# KiCad board CEM.kicad_pcb (continued)
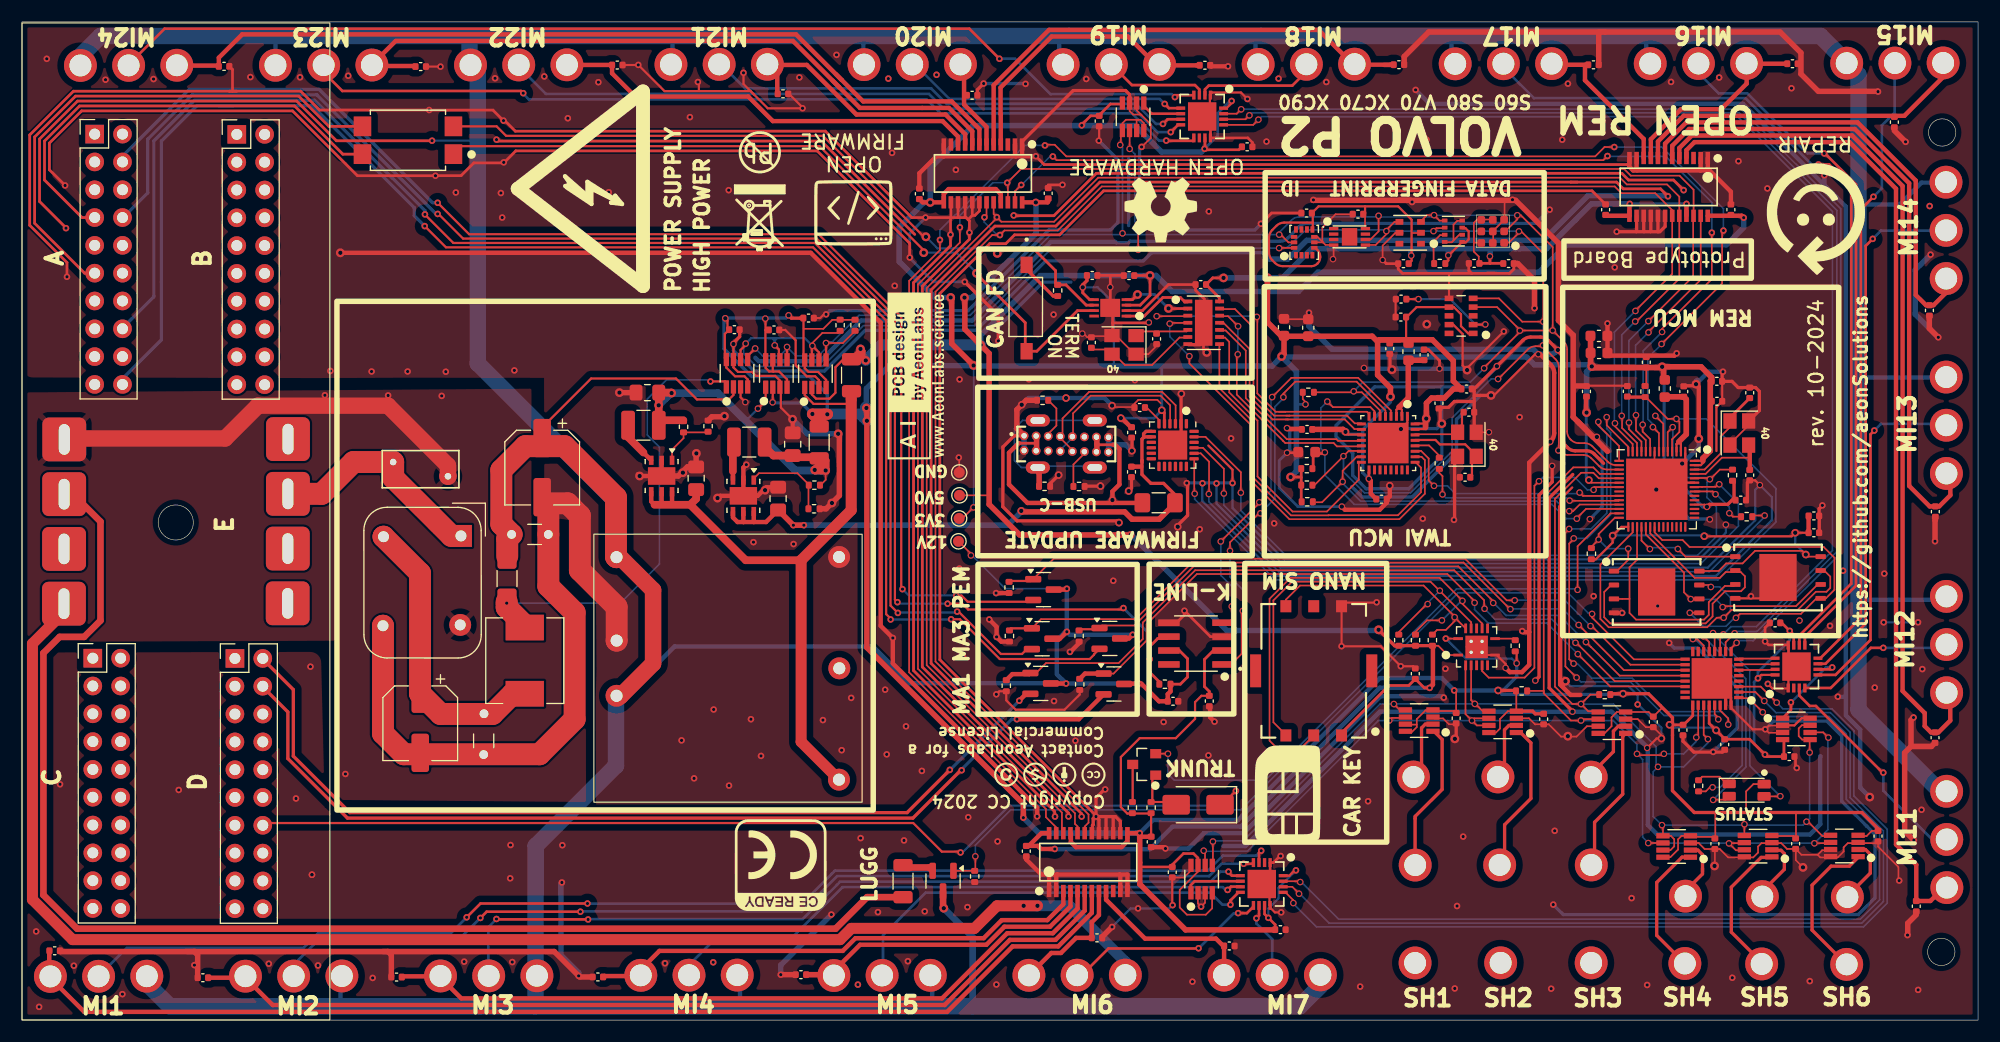
[diagram p0: board, top side]
## Footprints (pads in the part's own frame, mm; a bottom-side part is the same pattern mirrored in y, then rotated)
AHT20 PSON100P300X300X110-6N
  rrect 0.71x0.53 smd: 1(-0.985,1) 2(-0.985,0) 3(-0.985,-1) 4(0.985,-1) 5(0.985,0) 6(0.985,1)
ATSHA204A-MAHDA-T UDFN-8
  rect 0.85x0.3 smd: 1(-1.45,0.75) 2(-1.45,0.25) 3(-1.45,-0.25) 4(-1.45,-0.75) 5(1.45,-0.75) 6(1.45,-0.25) 7(1.45,0.25) 8(1.45,0.75)
  rect 1.4x1.6 smd: 9(0,0)
AUR9718 ST1S09 SON95P300X300X100-7N
  rect 0.84x0.42 smd: 1(-1.435,0.95) 2(-1.435,0) 3(-1.435,-0.95) 4(1.435,-0.95) 5(1.435,0) 6(1.435,0.95)
  rect 1.6x2.5 smd: 7(0,0)
C_0402_1005Metric
  rrect 0.56x0.62 smd: 1(-0.48,0) 2(0.48,0)
C_0603_1608Metric
  rrect 0.9x0.95 smd: 1(-0.775,0) 2(0.775,0)
C_0805_2012Metric_Pad1.18x1.45mm_HandSolder
  rrect 1.175x1.45 smd: 1(-1.038,0) 2(1.038,0)
C_Disc_D3.0mm_W1.6mm_P2.50mm
  round 1.6 hole 0.8: 1(-0.85,0) 2(2.5,0)
C_Disc_D3.0mm_W1.6mm_P2.50mm#2
  round 1.6 hole 0.8: 1(-1.23,0.03) 2(2.5,0)
CH9102F
  rrect 1.07x1.07 smd: (-0.66,0.66) (-0.66,-0.66) (0.66,0.66) (0.66,-0.66)
  rect 2.65x2.65 smd: 0(0,0)
  rrect 0.85x0.3 smd: 1(-1.95,1.25) 2(-1.95,0.75) 3(-1.95,0.25) 4(-1.95,-0.25) 5(-1.95,-0.75) 6(-1.95,-1.25) 13(1.95,-1.25) 14(1.95,-0.75) 15(1.95,-0.25) 16(1.95,0.25) 17(1.95,0.75) 18(1.95,1.25)
  rrect 0.3x0.85 smd: 7(-1.25,-1.95) 8(-0.75,-1.95) 9(-0.25,-1.95) 10(0.25,-1.95) 11(0.75,-1.95) 12(1.25,-1.95) 19(1.25,1.95) 20(0.75,1.95) 21(0.25,1.95) 22(-0.25,1.95) 23(-0.75,1.95) 24(-1.25,1.95)
Common Mode Inductor SQ1010 8x5mm
  rect 2x2 hole 1: 1(-3.81,2.678)
  round 2 hole 1: 2(-3.737,-4.39) 3(4.318,2.607) 4(4.396,-4.44)
CP_Elec_6.3x7.7
  rrect 3.5x1.6 smd: 1(-2.7,0) 2(2.7,0)
Crystal_SMD_3225-4Pin_3.2x2.5mm
  rect 1.4x1.2 smd: 1(-1.1,-0.85) 2(1.1,-0.85) 3(1.1,0.85) 4(-1.1,0.85)
D_SMA
  rrect 2.5x1.8 smd: 1(-2,0) 2(2,0)
Dip Switch 1_toggle
  rect 1.5x1.1 smd: 1A(-3.44,0) 1B(4.45,0)
ENS160 Gas Semsor
  rrect 0.7x0.7 smd: 1(-1.01,1.06) 2(-1.01,0.01) 3(-1.01,-1.05) 4(0.03,-1.04) 5(1.08,-1.04) 6(1.08,0.02) 7(1.08,1.07) 8(0.03,1.07) 9(0.03,0.02)
ESP32 C3
  rrect 0.81x0.27 smd: 1(-2.45,1.75) 2(-2.45,1.25) 3(-2.45,0.75) 4(-2.45,0.25) 5(-2.45,-0.25) 6(-2.45,-0.75) 7(-2.45,-1.25) 8(-2.45,-1.75) 17(2.45,-1.75) 18(2.45,-1.25) 19(2.45,-0.75) 20(2.45,-0.25) 21(2.45,0.25) 22(2.45,0.75) 23(2.45,1.25) 24(2.45,1.75)
  rrect 0.27x0.81 smd: 9(-1.75,-2.45) 10(-1.25,-2.45) 11(-0.75,-2.45) 12(-0.25,-2.45) 13(0.25,-2.45) 14(0.75,-2.45) 15(1.25,-2.45) 16(1.75,-2.45) 25(1.75,2.45) 26(1.25,2.45) 27(0.75,2.45) 28(0.25,2.45) 29(-0.25,2.45) 30(-0.75,2.45) 31(-1.25,2.45) 32(-1.75,2.45)
  rect 3.7x3.7 smd: 33(0,0)
Fuse_1206_3216Metric_Pad1.42x1.75mm_HandSolder
  rrect 1.425x1.75 smd: 1(-1.488,0) 2(1.488,0)
Hi Link DCDC
  round 2 hole 1.1: 1(-9.37,2.91) 2(-9.38,-2.13) 3(10.92,-9.79) 4(10.95,0.38) 5(10.93,10.55) 6(-9.38,10.53)
IC_RV-1805-C3 Power Gating
  rect 0.8x0.5 smd: 1(-1.1,1.6) 2(-1.1,0.8) 3(-1.1,0) 4(-1.1,-0.8) 5(-1.1,-1.6) 6(1.1,-1.6) 7(1.1,-0.8) 8(1.1,0) 9(1.1,0.8) 10(1.1,1.6)
INA219AIDCNR SOT65P280X145-8N
  rrect 1.21x0.48 smd: 1(-1.255,0.975) 2(-1.255,0.325) 3(-1.255,-0.325) 4(-1.255,-0.975) 5(1.255,-0.975) 6(1.255,-0.325) 7(1.255,0.325) 8(1.255,0.975)
KTS1620 24bit IO Expander QFN32 5x5mm.lib
  rect 0.85x0.3 smd: 1(-2.45,1.75) 2(-2.45,1.25) 3(-2.45,0.75) 4(-2.45,0.25) 5(-2.45,-0.25) 6(-2.45,-0.75) 7(-2.45,-1.25) 8(-2.45,-1.75) 17(2.45,-1.75) 18(2.45,-1.25) 19(2.45,-0.75) 20(2.45,-0.25) 21(2.45,0.25) 22(2.45,0.75) 23(2.45,1.25) 24(2.45,1.75)
  rect 0.3x0.85 smd: 9(-1.75,-2.45) 10(-1.25,-2.45) 11(-0.75,-2.45) 12(-0.25,-2.45) 13(0.25,-2.45) 14(0.75,-2.45) 15(1.25,-2.45) 16(1.75,-2.45) 25(1.75,2.45) 26(1.25,2.45) 27(0.75,2.45) 28(0.25,2.45) 29(-0.25,2.45) 30(-0.75,2.45) 31(-1.25,2.45) 32(-1.75,2.45)
  rect 3.7x3.7 smd: 33(0,0)
L_0603_1608Metric
  rrect 0.875x0.95 smd: 1(-0.787,0) 2(0.787,0)
L_1210_3225Metric
  rrect 1.25x2.65 smd: 1(-1.4,0) 2(1.4,0)
L_Chilisin_BMRB00060650
  rect 2.35x3.5 smd: 1(-3.025,0) 2(3.025,0)
LED_1206_3210_RGB_Metric
  rrect 1.2x0.8 smd: 1(-1.36,-0.51) 2(1.82,-0.52) 3(-1.36,0.63) 4(1.83,0.6)
LSM6DS3 Motion Sensor PQFN50P300X250X86-14N
  rect 0.58x0.35 smd: 1(-1.175,0.75) 2(-1.175,0.25) 3(-1.175,-0.25) 4(-1.175,-0.75) 8(1.175,-0.75) 9(1.175,-0.25) 10(1.175,0.25) 11(1.175,0.75)
  rect 0.35x0.58 smd: 5(-0.5,-0.925) 6(0,-0.925) 7(0.5,-0.925) 12(0.5,0.925) 13(0,0.925) 14(-0.5,0.925)
MCP2517FD CAN Controller
  rrect 0.81x0.34 smd: 1(-1.45,1.95) 2(-1.45,1.3) 3(-1.45,0.65) 4(-1.45,0) 5(-1.45,-0.65) 6(-1.45,-1.3) 7(-1.45,-1.95) 8(1.45,-1.95) 9(1.45,-1.3) 10(1.45,-0.65) 11(1.45,0) 12(1.45,0.65) 13(1.45,1.3) 14(1.45,1.95)
  rect 1.6x4.2 smd: 15(0,0)
MCP2558FD CAN Transceiver
  rect 0.864x0.254 smd: 1(-1.473,0.75) 2(-1.473,0.25) 3(-1.473,-0.25) 4(-1.473,-0.75) 5(1.473,-0.75) 6(1.473,-0.25) 7(1.473,0.25) 8(1.473,0.75)
  rect 1.803x1.651 smd: 9(0,0)
Nano Sim GCT_SIM8051-6-0-14-00-X-REVD
  rect 1x1.1 smd: C1(2.54,-5.9) C2(0,-5.9) C3(-2.54,-5.9) C5(2.54,5.9) C6(0,5.9) C7(-2.54,5.9)
  rect 1x3 smd: C4(5.3,0) C8(-5.3,0)
NCV7240 Relay Driver
  rect 1.12x0.42 smd: 1(-2.64,3.575) 2(-2.64,2.925) 3(-2.64,2.275) 4(-2.64,1.625) 5(-2.64,0.975) 6(-2.64,0.325) 7(-2.64,-0.325) 8(-2.64,-0.975) 9(-2.64,-1.625) 10(-2.64,-2.275) 11(-2.64,-2.925) 12(-2.64,-3.575) 13(2.64,-3.575) 14(2.64,-2.925) 15(2.64,-2.275) 16(2.64,-1.625) 17(2.64,-0.975) 18(2.64,-0.325) 19(2.64,0.325) 20(2.64,0.975) 21(2.64,1.625) 22(2.64,2.275) 23(2.64,2.925) 24(2.64,3.575)
NPN & PNP SOT-23
  rect 1x0.85 smd: 1(-1.05,0.98) 2(-1.05,-0.98) 3(1.05,0)
QFN-56-1EP_7x7mm_P0.4mm_EP5.6x5.6mm
  rrect 1.13x1.13 smd: (-2.1,2.1) (-2.1,0.7) (-2.1,-0.7) (-2.1,-2.1) (-0.7,2.1) (-0.7,0.7) (-0.7,-0.7) (-0.7,-2.1) (0.7,2.1) (0.7,0.7) (0.7,-0.7) (0.7,-2.1) (2.1,2.1) (2.1,0.7) (2.1,-0.7) (2.1,-2.1)
  rrect 0.875x0.2 smd: 1(-3.438,2.6) 2(-3.438,2.2) 3(-3.438,1.8) 4(-3.438,1.4) 5(-3.438,1) 6(-3.438,0.6) 7(-3.438,0.2) 8(-3.438,-0.2) 9(-3.438,-0.6) 10(-3.438,-1) 11(-3.438,-1.4) 12(-3.438,-1.8) 13(-3.438,-2.2) 14(-3.438,-2.6) 29(3.438,-2.6) 30(3.438,-2.2) 31(3.438,-1.8) 32(3.438,-1.4) 33(3.438,-1) 34(3.438,-0.6) 35(3.438,-0.2) 36(3.438,0.2) 37(3.438,0.6) 38(3.438,1) 39(3.438,1.4) 40(3.438,1.8) 41(3.438,2.2) 42(3.438,2.6)
  rrect 0.2x0.875 smd: 15(-2.6,-3.438) 16(-2.2,-3.438) 17(-1.8,-3.438) 18(-1.4,-3.438) 19(-1,-3.438) 20(-0.6,-3.438) 21(-0.2,-3.438) 22(0.2,-3.438) 23(0.6,-3.438) 24(1,-3.438) 25(1.4,-3.438) 26(1.8,-3.438) 27(2.2,-3.438) 28(2.6,-3.438) 43(2.6,3.438) 44(2.2,3.438) 45(1.8,3.438) 46(1.4,3.438) 47(1,3.438) 48(0.6,3.438) 49(0.2,3.438) 50(-0.2,3.438) 51(-0.6,3.438) 52(-1,3.438) 53(-1.4,3.438) 54(-1.8,3.438) 55(-2.2,3.438) 56(-2.6,3.438)
  rect 5.6x5.6 smd: 57(0,0)
R_0402_1005Metric
  rrect 0.54x0.64 smd: 1(-0.51,0) 2(0.51,0)
R_1206_3216Metric
  rrect 1.125x1.75 smd: 1(-1.462,0) 2(1.462,0)
RV_Disc_D7mm_W3.4mm_P5mm
  round 1.6 hole 0.6: 1(0,0) 2(5,-1.3)
SN65HVDA195 K-Line
  rrect 1.97x0.6 smd: 1(-2.47,1.905) 2(-2.47,0.635) 3(-2.47,-0.635) 4(-2.47,-1.905) 5(2.47,-1.905) 6(2.47,-0.635) 7(2.47,0.635) 8(2.47,1.905)
SOT-23
  rrect 1.475x0.6 smd: 1(-0.938,0.95) 2(-0.938,-0.95) 3(0.938,0)
TDK ZJYS  CANBUS
  rect 1.6x1.8 smd: 1(-4.15,1.27) 2(-4.15,-1.27) 3(4.15,-1.27) 4(4.15,1.27)
TestPoint_Pad_D1.0mm
  round 1 smd: 1(0,0)
TMUX8108 WQFN 16
  rect 0.813x0.305 smd: 1(-1.886,0.692) 2(-1.886,0.184) 3(-1.886,-0.324) 4(-1.886,-0.832) 9(2.026,-0.832) 10(2.026,-0.324) 11(2.026,0.184) 12(2.026,0.692)
  rect 0.305x0.813 smd: 5(-0.692,-2.026) 6(-0.184,-2.026) 7(0.324,-2.026) 8(0.832,-2.026) 13(0.832,1.886) 14(0.324,1.886) 15(-0.184,1.886) 16(-0.692,1.886)
  rect 2.591x2.591 smd: 17(0.07,-0.07)
TXS104 Bidirectional Logic Shifter
  rrect 0.26x0.88 smd: 1(-0.75,1.685) 7(-0.75,-1.685) 8(0.75,-1.685) 14(0.75,1.685)
  rrect 0.88x0.26 smd: 2(-1.685,1) 3(-1.685,0.5) 4(-1.685,0) 5(-1.685,-0.5) 6(-1.685,-1) 9(1.685,-1) 10(1.685,-0.5) 11(1.685,0) 12(1.685,0.5) 13(1.685,1)
  rect 2.05x2.05 smd: 15(0,0)
  round 0.4 hole 0.3: 15_1(0.5,0.5) 15_2(-0.5,0.5) 15_3(-0.5,-0.5) 15_4(0.5,-0.5)
USB-C Vertical GCT_USB4120-03-C_REVA
  round 0.8 hole 0.5: A1(-3.85,0.75) A4(-2.75,0.73) A5(-1.65,0.71) A6(-0.55,0.69) A7(0.55,0.67) A8(1.65,0.65) A9(2.75,0.63) A12(3.85,0.61) B1(3.85,-0.74) B4(2.75,-0.72) B5(1.65,-0.7) B6(0.55,-0.68) B7(-0.55,-0.66) B8(-1.65,-0.64) B9(-2.75,-0.62) B12(-3.85,-0.6)
  oval 2.2x1.1 hole 1.35x0.6: S1(-2.6,2.15) S1(-2.6,-2.15) S1(2.6,2.15) S1(2.6,-2.15)
Volvo P2 -04 CEM & REM PCB layout
  oval 1.7x1.7 hole 1: A1(35.53,96.29) A2(32.99,96.29) A3(30.45,96.29) A4(27.91,96.29) A5(25.37,96.29) A6(22.83,96.29) A7(20.29,96.29) A8(17.75,96.29) A9(15.21,96.29) A10(12.67,96.29) A12(32.99,98.83) A13(30.45,98.83) A14(27.91,98.83) A15(25.37,98.83) A16(22.83,98.83) A17(20.29,98.83) A18(17.75,98.83) A19(15.21,98.83) A20(12.67,98.83) B1(35.508,83.32) B2(32.968,83.32) B3(30.427,83.32) B4(27.887,83.32) B5(25.348,83.32) B6(22.808,83.32) B7(20.267,83.32) B8(17.727,83.32) B9(15.188,83.32) B10(12.648,83.32) B12(32.968,85.86) B13(30.427,85.86) B14(27.887,85.86) B15(25.348,85.86) B16(22.808,85.86) B17(20.267,85.86) B18(17.727,85.86) B19(15.188,85.86) B20(12.648,85.86) C1(-12.335,96.46) C2(-14.875,96.46) C3(-17.415,96.46) C4(-19.955,96.46) C5(-22.495,96.46) C6(-25.035,96.46) C7(-27.575,96.46) C8(-30.115,96.46) C9(-32.655,96.46) C10(-35.195,96.46) C12(-14.875,99) C13(-17.415,99) C14(-19.955,99) C15(-22.495,99) C16(-25.035,99) C17(-27.575,99) C18(-30.115,99) C19(-32.655,99) C20(-35.195,99) D1(-12.357,83.49) D2(-14.898,83.49) D3(-17.438,83.49) D4(-19.977,83.49) D5(-22.517,83.49) D6(-25.058,83.49) D7(-27.598,83.49) D8(-30.137,83.49) D9(-32.678,83.49) D10(-35.218,83.49) D12(-14.898,86.03) D13(-17.438,86.03) D14(-19.977,86.03) D15(-22.517,86.03) D16(-25.058,86.03) D17(-27.598,86.03) D18(-30.137,86.03) D19(-32.678,86.03) D20(-35.218,86.03)
  rect 1.7x1.7 hole 1: A11(35.53,98.83) B11(35.508,85.86) C11(-12.335,99) D11(-12.357,86.03)
  rrect 4x4 hole 2.8x1: E1(7.645,101.605) E2(2.645,101.615) E3(-2.355,101.625) E4(-7.355,101.635) E5(7.675,81.185) E6(2.675,81.195) E7(-2.325,81.205) E8(-7.325,81.215)
  round 3 hole 2: MI1-1(-41.38,94.07) MI1-2(-41.4,102.87) MI1-4(-41.39,98.47) MI2-1(-41.36,76.27) MI2-2(-41.38,85.07) MI2-4(-41.37,80.67) MI3-1(-41.34,58.47) MI3-2(-41.36,67.27) MI3-4(-41.35,62.87) MI4-1(-41.28,40.19) MI4-2(-41.3,48.99) MI4-4(-41.29,44.59) MI5-1(-41.3,22.57) MI5-2(-41.32,31.37) MI5-4(-41.31,26.97) MI6-1(-41.28,4.77) MI6-2(-41.3,13.57) MI6-4(-41.29,9.17) MI7-1(-41.26,-13.03) MI7-2(-41.28,-4.23) MI7-4(-41.27,-8.63) MI11-1(-24.49,-70.18) MI11-2(-33.29,-70.2) MI11-4(-28.89,-70.19) MI12-1(-6.69,-70.16) MI12-2(-15.49,-70.18) MI12-4(-11.09,-70.17) MI13-1(13.34,-70.14) MI13-2(4.54,-70.16) MI13-4(8.94,-70.15) MI14-1(31.14,-70.12) MI14-2(22.34,-70.14) MI14-4(26.74,-70.13) MI15-1(42.01,-61.06) MI15-2(42.03,-69.86) MI15-4(42.02,-65.46) MI16-1(41.97,-43.13) MI16-2(41.99,-51.93) MI16-4(41.98,-47.53) MI17-1(41.95,-25.33) MI17-2(41.97,-34.13) MI17-4(41.96,-29.73) MI18-1(41.9,-7.35) MI18-2(41.92,-16.15) MI18-4(41.91,-11.75) MI19-1(41.88,10.45) MI19-2(41.9,1.65) MI19-4(41.89,6.05) MI20-1(41.88,28.62) MI20-2(41.9,19.82) MI20-4(41.89,24.22) MI21-1(41.89,46.24) MI21-2(41.91,37.44) MI21-4(41.9,41.84) MI22-1(41.84,64.53) MI22-2(41.86,55.73) MI22-4(41.85,60.13) MI23-1(41.82,82.33) MI23-2(41.84,73.53) MI23-4(41.83,77.93) MI24-1(41.8,100.13) MI24-2(41.82,91.33) MI24-4(41.81,95.73) SH1-3(-40.17,-21.67) SH1-4(-31.23,-21.68) SH1-5(-23.19,-21.52) SH2-3(-40.16,-29.48) SH2-4(-31.22,-29.39) SH2-5(-23.18,-29.23) SH3-3(-40.16,-37.74) SH3-4(-31.22,-37.75) SH3-5(-23.2,-37.74) SH4-4(-40.22,-46.29) SH4-5(-34.07,-46.35) SH5-4(-40.26,-53.3) SH5-5(-34.11,-53.36) SH6-4(-40.3,-61.06) SH6-5(-34.15,-61.12)
WSON8 FLASH SPI SON127P800X600X80-9N
  rrect 0.94x0.44 smd: 1(-3.895,1.905) 2(-3.895,0.635) 3(-3.895,-0.635) 4(-3.895,-1.905) 5(3.895,-1.905) 6(3.895,-0.635) 7(3.895,0.635) 8(3.895,1.905)
  rect 3.4x4.3 smd: 9(0,0)
XDCR_BMP280
  rect 0.5x0.35 smd: 1(0.8,0.975) 2(0.8,0.325) 3(0.8,-0.325) 4(0.8,-0.975) 5(-0.8,-0.975) 6(-0.8,-0.325) 7(-0.8,0.325) 8(-0.8,0.975)

## Nets
3V3_PROBE_IN: AUR_C1.1 AUR_C3.1 AUR_l1.1 AUR_l2.1 AUR_R2.1 AUR_R4.1 ER3.2 INA1.1
5V_PROBE_IN: AUR2.4 AUR2.5 AUR2.6 AUR_C4.1 ER2.1 INA2.1 U2.3
12V-BAT: HLL1.1 HLV1.1 U1.E6
12V_PROBE_IN: ER1.1 INA3.1 L1.2
+3V3: 3V3.1 ACPM_C1.2 ACPM_C2.2 AH_C1.2 ATC1.2 BMPR1.2 C3_C1.1 C3_C2.1 C3_P2_L1.1 C3_P32_C1.2 C3P2_C2.1 C3P6_R1.1 C3P7_R1.1 C3P11_C1.1 C3P14_R1.1 C3P15_R1.1 C3P17_C1.1 C3P32_C1.2 CHC3.1 ENS_C1.2 ENS_C2.2 ER3.1 ESP32S1.20 ESP32S1.46 ESP32S1.55 ESP32S1.56 IC_ENS1.4 IC_ENS1.5 IC_ENS1.7 IMU1.5 INA1.2 INA1.4 INA1.7 INA1.8 INA1_C1.2 INA1_C2.2 INA1_C3.2 INA1_C4.2 INA1_C5.2 INA1_C6.2 INA1_C7.2 INA1_C8.2 INA1_C9.2 INA1_C10.2 INA1_C11.2 INA1_C12.2 INA2.4 INA2.8 INA3.4 INA3.8 INA4.4 INA4.7 INA4.8 INA5.4 INA5.8 INA6.4 INA6.8 INA7.4 INA7.8 INA8.4 INA9.4 INA10.4 INA10.7 INA11.4 INA12.4 KTS1.25 KTS1.28 LED1.4 LIN_C2.1 LSM_C4.2 MCP_P5_C2.1 MCP_P14_C1.1 MPR3.2 MPR4.2 MPR5.2 MPR6.2 NCV1_C10.1 NCV2_C7.1 NCV3_C13.1 RV_C1.2 S3_VDD3_C1.1 S3_VDD3_C2.1 S3P2_C1.1 S3P2_L1.1 S3P4_R1.1 S3P20_C1.1 S3P46_C1.1 S3P52_R1.1 S3P55_C1.2 S3P55_C2.2 TRUNK_R1.2 TRUNK_R2.2 TX1_C1.2 TX1_C2.2 TX1_C13.2 TXMUX1.11 TXMUX1.16 TXR1.1 TXS1.14 U3.5 U4.11 U4.17 U4.31 U4.32 U5.8 U6.5 U7.6 U7.8 U8.2 U9.14 U10.13 U10.21 U11.13 U11.21 U12.13 U12.21 U13.11 U13.16 U14.11 U14.16 U15.2 U16.1 U16.7
+5V: 5V0.1 ENS_C3.2 ER2.2 INA2.2 J2.C1 MCP_P3_C1.1 NCV1_C9.1 NCV2_C8.1 NCV3_C14.1 S3P52_R2.1 S3P52_R3.1 S3P52_R4.1 TXS1.1 U6.3 U10.24 U11.24 U12.24
+12V: C5.1 C6.1 DMP1045U_1.3 DMP1045U_2.3 DMP1045U_3.3 DMP1045U_4.3 DMP1045U_5.3 DMP1045U_7.3 ER1.2 INA3.2 LIN_C1.1 TP1.1 TXR2.1 U1.MI1-1 U1.MI2-1 U1.MI3-1 U1.MI4-1 U1.MI5-1 U1.MI7-1 U1.MI11-1 U1.MI12-1 U1.MI13-1 U1.MI14-1 U1.MI15-1 U1.MI16-1 U1.MI17-1 U1.MI18-1 U1.MI19-1 U1.MI20-1 U1.MI21-1 U1.MI22-1 U1.MI23-1 U1.MI24-1 U2.2 U2.6 U15.7
GND: ACPM_C1.1 ACPM_C2.1 AH_C1.1 ATC1.1 AUR1.2 AUR1.7 AUR2.2 AUR2.7 AUR_C1.2 AUR_C2.2 AUR_C3.2 AUR_C4.2 AUR_R1.2 AUR_R3.2 C1.2 C3_C1.2 C3_C2.2 C3_P32_C1.1 C3P2_C1.2 C3P2_C2.2 C3P7_C1.1 C3P11_C1.2 C3P17_C1.2 C3P32_C1.1 C3XTAL32_2.2 C3XTAL32_2.4 C3XTAL40_1.2 C3XTAL40_1.4 C3XTAL40_C1.2 C3XTAL40_C2.2 C4.2 C5.2 C6.2 CHC1.2 CHC2.1 CHC3.2 DMP1045_R1.2 DMP1045_R2.2 DMP1045_R3.2 DMP1045_R4.2 DMP1045_R5.2 DMP1045_R7.2 E_SPI_C1.2 E_SPI_C2.2 ENS_C1.1 ENS_C2.1 ENS_C3.1 EPS1.4 ESP32S1.1 ESP32S1.8 ESP32S1.51 ESP32S1.57 ESP_FLASH1.4 ESP_FLASH1.9 GND1.1 HLL1.4 IC_ENS1.3 IC_ENS1.8 IC_ENS1.9 IMU1.6 IMU1.7 INA1.3 INA1_C1.1 INA1_C2.1 INA1_C3.1 INA1_C4.1 INA1_C5.1 INA1_C6.1 INA1_C7.1 INA1_C8.1 INA1_C9.1 INA1_C10.1 INA1_C11.1 INA1_C12.1 INA2.3 INA3.3 INA3.7 INA4.3 INA5.3 INA6.3 INA6.7 INA7.3 INA8.3 INA8.8 INA9.3 INA9.7 INA9.8 INA10.2 INA10.3 INA10.8 INA11.2 INA11.3 INA11.8 INA12.2 INA12.3 J1.A1 J1.A12 J1.B1 J1.B12 J2.C5 KTS1.31 KTS1.32 KTS1.33 LIN_C1.2 LIN_C2.2 LSM_C4.1 MCP_P3_C1.2 MCP_P5_C2.2 MCP_P14_C1.2 MCPXTAL32_C1.2 MCPXTAL32_C2.2 NCV1_C2.2 NCV1_C3.2 NCV1_C4.2 NCV1_C5.2 NCV1_C6.2 NCV1_C7.2 NCV1_C8.2 NCV1_C9.2 NCV1_C10.2 NCV2_C7.2 NCV2_C8.2 NCV2_C10.2 NCV2_C11.2 NCV2_C12.2 NCV2_C13.2 NCV2_C14.2 NCV2_C15.2 NCV2_C16.2 NCV3_C13.2 NCV3_C14.2 NCV3_C18.2 NCV3_C19.2 NCV3_C20.2 NCV3_C21.2 NCV3_C22.2 NCV3_C23.2 NCV3_C24.2 RV_C1.1 RV_C2.1 S3_VDD3_C1.2 S3_VDD3_C2.2 S3_XTAL40_1.2 S3_XTAL40_1.4 S3_XTAL40_C1.2 S3_XTAL40_C2.2 S3P2_C1.2 S3P2_C2.2 S3P4_C1.1 S3P20_C1.2 S3P46_C1.2 S3P55_C1.1 S3P55_C2.1 TX1_C1.1 TX1_C2.1 TX1_C13.1 TXMUX1.1 TXMUX1.12 TXMUX1.17 TXS1.7 TXS1.15 TXS1.15_1 TXS1.15_2 TXS1.15_3 TXS1.15_4 U2.1 U2.5 U3.0 U3.2 U4.1 U4.33 U5.4 U6.2 U6.9 U7.1 U7.5 U7.7 U8.5 U9.7 U9.15 U10.1 U10.2 U10.11 U10.12 U10.14 U10.15 U10.16 U10.17 U10.18 U11.1 U11.2 U11.11 U11.12 U11.14 U11.15 U11.16 U11.17 U11.18 U12.1 U12.2 U12.11 U12.12 U12.14 U12.15 U12.16 U12.17 U12.18 U13.1 U13.12 U13.17 U14.1 U14.12 U14.17 U15.3 U15.5 U16.6 U16.9 USB_PLUG_R1.2 USB_PLUG_R2.2 USB_PLYG_R1.2
GND-BAT: HLL1.3 HLV1.2 U1.E1
VDD_SPI: E_SPI_C1.1 E_SPI_C2.1 EPS1.8 ESP32S1.29 ESP_FLASH1.8 PSRAM_R1.2
A0_TXMUX1: KTS1.1 TXMUX1.15
A0_TXMUX2: KTS1.6 U14.15
A0_TXMUX3: KTS1.9 U13.15
A1_TXMUX1: KTS1.2 TXMUX1.14
A1_TXMUX2: KTS1.7 U14.14
A1_TXMUX3: KTS1.10 U13.14
A2_TXMUX1: KTS1.3 TXMUX1.13
A2_TXMUX2: KTS1.8 U14.13
A2_TXMUX3: KTS1.11 U13.13
CAN_H: FL1.4 U1.A14
CAN_L: FL1.3 U1.A16
CAN_RXD: U6.4 U9.2
CAN_TXD: U6.1 U9.1
CARGO_GREEN_CONN_5PIN_BLUE_WIRE: U1.D6
CARGO_GREEN_CONN_5PIN_YELLOW_WIRE: U1.D20
CARGO_ILLUMINATION_12V: ER4.2 U1.E2
CHIP_EN: ESP32S1.4 S3P4_C1.2 S3P4_R1.2 U3.19
DARK_BLUE_WHITE_WIRE_RELAY_MA1_PIN85: DMP1045U_3.2 U1.D2
DARK_BLUE_WIRE_RELAY_MA3_PIN85: DMP1045U_2.2 U1.D1
ESP_GPIO0_BOOT-DTR: ESP32S1.5 ESP32S1.52 S3P52_R1.2 U3.23
K-LINE-LIN: TXR2.2 U1.A4 U15.6
K-LINE-RX: U4.5 U15.1
K-LINE-TX: U4.4 U15.4
KTS_INT: ESP32S1.14 KTS1.30
KTS_RST: ESP32S1.15 KTS1.29
LED_B_S3: KTS1.12 LED1.2
LED_G_S3: KTS1.13 LED1.1
LED_R_S3: KTS1.14 RGB_R1.1
Luggage_lights: DMP1045_R1.1 DMP1045U_1.1 KTS1.17
MA1_RELAY_EN: DMP1045_R3.1 DMP1045U_3.1 KTS1.22
MA3_RELAY_EN: DMP1045_R2.1 DMP1045U_2.1 KTS1.21
MCP_CLKO_C3: U4.8 U9.3
MCP_INT0_C3: U4.16 U9.9
MCP_INT1_C3: U4.25 U9.8
MCP_INT_C3: U4.26 U9.4
MCP_OSC1: C3XTAL32_2.3 MCPXTAL32_C1.1 U9.6
MCP_OSC2: C3XTAL32_2.1 MCPXTAL32_C2.1 U9.5
MCP_SPI_CS_C3: U4.9 U9.13
MCP_SPI_SCK_C3: U4.12 U9.10
MCP_SPI_SDI_C3: U4.10 U9.11
MCP_SPI_SDO_C3: U4.13 U9.12
NCV1_CS: ESP32S1.7 U12.23
NCV1_OUT1: NCV1_C8.1 U1.MI4-2 U12.3
NCV1_OUT2: NCV1_C7.1 U1.MI5-2 U12.4
NCV1_OUT3: NCV1_C6.1 U1.MI3-2 U12.5
NCV1_OUT4: NCV1_C5.1 U1.MI2-2 U12.6
NCV1_OUT5: NCV1_C4.1 U1.MI1-2 U12.7
NCV1_OUT6: NCV1_C3.1 U1.MI6-2 U12.8
NCV1_OUT7: NCV1_C2.1 U1.MI7-2 U12.9
NCV1_OUT8: U12.10
NCV2_CS: ESP32S1.10 U11.23
NCV2_OUT1: U11.3
NCV2_OUT2: NCV2_C10.1 U1.MI11-2 U11.4
NCV2_OUT3: NCV2_C11.1 U1.MI12-2 U11.5
NCV2_OUT4: NCV2_C12.1 U1.MI13-2 U11.6
NCV2_OUT5: NCV2_C13.1 U1.MI14-2 U11.7
NCV2_OUT6: NCV2_C14.1 U1.MI15-2 U11.8
NCV2_OUT7: NCV2_C15.1 U1.MI16-2 U11.9
NCV2_OUT8: NCV2_C16.1 U1.MI17-2 U11.10
NCV3_CS: ESP32S1.9 U10.23
NCV3_OUT1: U10.3
NCV3_OUT2: NCV3_C18.1 U1.MI19-2 U10.4
NCV3_OUT3: NCV3_C19.1 U1.MI18-2 U10.5
NCV3_OUT4: NCV3_C20.1 U1.MI20-2 U10.6
NCV3_OUT5: NCV3_C21.1 U1.MI24-2 U10.7
NCV3_OUT6: NCV3_C22.1 U1.MI23-2 U10.8
NCV3_OUT7: NCV3_C23.1 U1.MI21-2 U10.9
NCV3_OUT8: NCV3_C24.1 U1.MI22-2 U10.10
PEM_MODULE_BLUE: DMP1045U_4.2 U1.A8
PEM_MODULE_BLUE_EN: DMP1045_R4.1 DMP1045U_4.1 KTS1.19
PEM_MODULE_BROWN: DMP1045U_5.2 U1.A10
PEM_MODULE_BROWN_EN: DMP1045_R5.1 DMP1045U_5.1 KTS1.20
PEM_MODULE_GREEN: DMP1045U_7.2 U1.A2
PEM_MODULE_GREEN_EN: DMP1045_R7.1 DMP1045U_7.1 KTS1.18
POWER_SENSE_TXMUX1: INA10.1 TXMUX1.6
POWER_SENSE_TXMUX2: INA11.1 U14.6
POWER_SENSE_TXMUX3: INA12.1 U13.6
PSW_EN: U16.8
RELAY_MI1_PIN4: TXMUX1.3 U1.MI1-4
RELAY_MI2_PIN4: TXMUX1.4 U1.MI2-4
RELAY_MI3_PIN4: TXMUX1.5 U1.MI3-4
RELAY_MI4_PIN4: TXMUX1.7 U1.MI4-4
RELAY_MI5_PIN4: TXMUX1.8 U1.MI5-4
RELAY_MI6_PIN1: U1.E4 U1.MI6-1
RELAY_MI6_PIN4: TXMUX1.9 U1.MI6-4
RELAY_MI7_PIN4: TXMUX1.10 U1.MI7-4
RELAY_MI11_PIN4: U1.MI11-4 U14.3
RELAY_MI12_PIN4: U1.MI12-4 U14.4
RELAY_MI13_PIN4: U1.MI13-4 U14.5
RELAY_MI14_PIN4: U1.MI14-4 U14.7
RELAY_MI15_PIN4: U1.MI15-4 U14.8
RELAY_MI16_PIN4: U1.MI16-4 U14.9
RELAY_MI17_PIN4: U1.MI17-4 U14.10
RELAY_MI18_PIN4: U1.MI18-4 U13.2
RELAY_MI19_PIN4: U1.MI19-4 U13.3
RELAY_MI20_PIN4: U1.MI20-4 U13.5
RELAY_MI21_PIN4: U1.MI21-4 U13.7
RELAY_MI22_PIN4: U1.MI22-4 U13.8
RELAY_MI23_PIN4: U1.MI23-4 U13.9
RELAY_MI24_PIN4: U1.MI24-4 U13.4
RESISTOR_SH1-PIN4: INA4.1 U1.SH1-4
RESISTOR_SH1-PIN5: INA4.2 U1.SH1-5
RESISTOR_SH2-PIN4: INA5.1 U1.SH2-4
RESISTOR_SH2-PIN5: INA5.2 U1.SH2-5
RESISTOR_SH3-PIN4: INA6.1 U1.SH3-4
RESISTOR_SH3-PIN5: INA6.2 U1.SH3-5
RESISTOR_SH4-PIN4: INA7.1 U1.SH4-4
RESISTOR_SH4-PIN5: INA7.2 U1.SH4-5
RESISTOR_SH5-PIN4: INA8.1 U1.SH5-4
RESISTOR_SH5-PIN5: INA8.2 U1.SH5-5
RESISTOR_SH6-PIN4: INA9.1 U1.SH6-4
RESISTOR_SH6-PIN5: INA9.2 U1.SH6-5
RV_INT: U16.3
RXD0: ESP32S1.50 U3.21
S3-U1CTS_C3-RST-EN: C3P7_C1.2 C3P7_R1.2 ESP32S1.26 U4.7
S3-U1RTS_C3-BOOT-DTR: C3P15_R1.2 ESP32S1.25 U4.15
S3-U1RXD_C3-U0TXD: C3P28_R1.1 ESP32S1.24
S3-U1TXD_C3-U0RXD: ESP32S1.23 U4.27
S3_I2C_SCL: ESP32S1.19 INA4.5 INA5.5 INA6.5 INA7.5 INA7.7 INA8.5 INA9.5 INA10.5 INA11.5 INA11.7 KTS1.27 MPR5.1 TXS1.3
S3_I2C_SCL_5V0: J2.C3 S3P52_R3.2 TXS1.12
S3_I2C_SCL_C3: C3P6_R1.2 ESP32S1.16 IC_ENS1.2 IMU1.13 INA1.5 INA2.5 INA3.5 INA12.5 INA12.7 INA12.8 MPR3.1 U4.6 U5.6 U7.4 U8.3 U16.4
S3_I2C_SDA: ESP32S1.18 INA4.6 INA5.6 INA5.7 INA6.6 INA7.6 INA8.6 INA8.7 INA9.6 INA10.6 INA11.6 KTS1.26 MPR6.1 TXS1.2
S3_I2C_SDA_5VO: J2.C7 S3P52_R4.2 TXS1.13
S3_I2C_SDA_C3: C3P14_R1.2 ESP32S1.17 IC_ENS1.1 IMU1.14 INA1.6 INA2.6 INA2.7 INA3.6 INA12.6 MPR4.1 U4.14 U5.5 U7.3 U8.4 U16.5
S3_SPI2-MISO: ESP32S1.13 U10.19 U11.19 U12.19
S3_SPI2-MOSI: ESP32S1.11 U10.22 U11.22 U12.22
S3_SPI2-SCK: ESP32S1.12 U10.20 U11.20 U12.20
SIMCARD_RST: ESP32S1.21 TXS1.5
SIMCARD_RST_5V0: J2.C2 S3P52_R2.2 TXS1.10
SPICLK: EPS1.6 ESP32S1.33 ESP_FLASH1.6
SPICS0: ESP32S1.32 ESP_FLASH1.1
SPICS1: EPS1.1 ESP32S1.28 PSRAM_R1.1
SPID: EPS1.5 ESP32S1.35 ESP_FLASH1.5
SPIHD: EPS1.7 ESP32S1.30 ESP_FLASH1.7
SPIQ: EPS1.2 ESP32S1.34 ESP_FLASH1.2
SPIWP: EPS1.3 ESP32S1.31 ESP_FLASH1.3
TRUNK_BUTTON: TRUNK_D1.1 U1.D7
TRUNK_BUTTON_S3: ESP32S1.27 NPN1.2
TXD0: S3P49_R1.1 U3.20
USB_5V0: AUR1.4 AUR1.5 AUR1.6 AUR_C2.1 CHC1.1 PWR_FUSE1.1 U3.7 U3.8
USB_5V0F: J1.A4 J1.A9 J1.B4 J1.B9 PWR_FUSE1.2
USB_D+: J1.A6 J1.B6 U3.3
USB_D-: J1.A7 J1.B7 U3.4
Net-(AUR1-FB): AUR1.1 AUR_R1.1 AUR_R2.2
Net-(AUR1-SW): AUR1.3 AUR_l1.2
Net-(AUR2-FB): AUR2.1 AUR_R3.1 AUR_R4.2
Net-(AUR2-SW): AUR2.3 AUR_l2.2
Net-(C1-Pad1): C1.1 C4.1 HLL1.2 L1.1
Net-(DMP1045U_1-Pad2): DMP1045U_1.2 ER4.1
Net-(ESP32S1-U0TXD/PROG/GPIO43): ESP32S1.49 S3P49_R1.2
Net-(ESP32S1-VDD3P3-Pad2): ESP32S1.2 ESP32S1.3 S3P2_C2.1 S3P2_L1.2
Net-(ESP32S1-XTAL_N): ESP32S1.53 S3_XTAL40_1.3 S3_XTAL40_C2.1
Net-(ESP32S1-XTAL_P): ESP32S1.54 S3_XTAL40_1.1 S3_XTAL40_C1.1
Net-(J1-CC1): J1.A5 USB_PLUG_R1.1
Net-(J1-CC2): J1.B5 USB_PLUG_R2.1
Net-(J1-SHIELD): J1.S1 USB_PLYG_R1.1
Net-(LED1-RA): LED1.3 RGB_R1.2
Net-(NPN1-Pad3): NPN1.3 TRUNK_R2.1
Net-(R1-Pad2): R1.2 S1.1A
Net-(TRUNK_D1-A): NPN1.1 TRUNK_D1.2 TRUNK_R1.1
Net-(TXS1-OE): TXR1.2 TXS1.8
Net-(U3-V3): CHC2.2 U3.6
Net-(U4-U0TXD): C3P28_R1.2 U4.28
Net-(U4-VDD3P3): C3_P2_L1.2 C3P2_C1.1 U4.2 U4.3
Net-(U4-XTAL_N): C3XTAL40_1.1 C3XTAL40_C2.1 U4.29
Net-(U4-XTAL_P): C3XTAL40_1.3 C3XTAL40_C1.1 U4.30
Net-(U6-CANH): FL1.1 S1.1B U6.7
Net-(U6-CANL): FL1.2 R1.1 U6.6
Net-(U7-CSB): BMPR1.1 U7.2
Net-(U16-CAP_RC): RV_C2.2 U16.2

Pads without a net: EPS1 9; ESP32S1 6 22 36 37 38 39 40 41 42 43 44 45 47 48; IC_ENS1 6; IMU1 1 2 3 4 8 9 10 11 12; J1 A8 B8; J2 C4 C6 C8; KTS1 4 5 15 16 23 24; TXMUX1 2; TXS1 4 6 9 11; U1 A1 A3 A5 A6 A7 A9 A11 A12 A13 A15 A17 A18 A19 A20 B1 B2 B3 B4 B5 B6 B7 B8 B9 B10 B11 B12 B13 B14 B15 B16 B17 B18 B19 B20 C1 C2 C3 C4 C5 C6 C7 C8 C9 C10 C11 C12 C13 C14 C15 C16 C17 C18 C19 C20 D3 D4 D5 D8 D9 D10 D11 D12 D13 D14 D15 D16 D17 D18 D19 E3 E5 E7 E8 SH1-3 SH2-3 SH3-3; U2 4; U3 1 9 10 11 12 13 14 15 16 17 18 22 24; U4 18 19 20 21 22 23 24; U5 1 2 3 7 9; U6 8; U8 1 6; U13 10; U14 2; U15 8; U16 10

## Via types
v1: diameter 0.7, hole 0.4, Top to Bottom, 29 vias
v2: diameter 0.8, hole 0.4, Top to Bottom, 63 vias
v3: diameter 0.6, hole 0.3, Top to Bottom, 326 vias
v4: diameter 0.6, hole 0.4, Top to Bottom, 199 vias

## Routing (per net, layer and track width the routed paths; a pad name or vN(x,y) marks a point on that pad's centre or on a via; arc(x,y) is an arc through that point)
3V3_PROBE_IN: length 43.4
  Top w0.15: v2(73.35,50.2) 73.35,49.34 72.87,48.86 AUR_R2.1
  Top w0.2: INA1.1 67.88,56.56 v4(67.17,55.85)
  Top w0.7: 73.04,51.41 73.04,50.94 v2(72.35,50.25) 72.4,50.2 v2(73.35,50.2) 73.35,51.1 73.04,51.41 ; 73.04,51.41 70.5,51.41 AUR_C1.1 68.58,51.56 67.78,52.36 AUR_l1.1 ; 60.36,54.79 58.58,54.79 AUR_l2.1 58.12,57.31 AUR_C3.1 59.25,57.31 v2(59.29,57.27)
  Bottom w0.2: v4(67.17,55.85) 67.17,55.84 66.06,54.73 ; 70.54,50.25 v2(72.35,50.25)
  Bottom w0.5: v2(59.29,57.27) 59.23,57.27
  Bottom w0.7: 59.23,57.27 v2(58.11,56.15) ; v2(72.35,50.25) 72.4,50.2 v2(73.35,50.2) 70.59,50.2 63.52,57.27 v2(59.29,57.27)
5V_PROBE_IN: length 65
  Top w0.2: 75.68,56.71 75.25,56.28 72.24,56.28 71.44,57.08 71.44,57.78
  Top w0.4: 57.73,47.07 57.43,47.37 AUR2.4 ; 59.27,47.07 59.33,47.13 AUR2.6 ; AUR2.5 58.38,47.22 58.23,47.07
  Top w0.7: 60.99,47.07 57.73,47.07 ; 60.99,47.07 61.53,47.61 AUR_C4.1 ; 60.99,47.07 66.06,42 71.11,42
  Top w1: U2.3 71.11,25.42 71.11,42 75.68,46.57 75.68,57.18 75.57,57.29
12V-BAT: length 20.6
  Top w2: HLL1.1 39.2,44.22 33.88,49.54 HLV1.1 30.26,50.97 27.36,48.07 U1.E6
12V_PROBE_IN: length 42.7
  Top w0.2: v3(62.84,58.33) 64.17,58.33 64.29,58.22 INA3.1
  Top w2: 46.1,35.84 44.24,37.7 v3(44.24,38.08) 44.24,38.22
  Bottom w0.15: 44.36,38.2 v3(44.24,38.08) 54.6,38.08 58.18,41.66 58.18,52.33 57.07,53.44 57.07,56.72 58.82,58.47 62.7,58.47 v3(62.84,58.33)
+3V3: length 827.9
  Top w0.15: C3P6_R1.1 116.89,56.72 117.14,56.47 v4(117.14,56.24) ; 129.82,34.83 129.83,34.84 TXS1.14 ; 167.57,16.81 168.34,16.81 168.81,17.28 INA1_C9.2 ; 128.22,28.23 130.71,28.23 INA1_C4.2 130.89,29.93 v3(130.71,30.11) ; 76.27,63.97 76.26,63.96 73.96,63.96 73.14,63.14 71.33,63.14 ; 126.86,71.89 127.59,71.89 ; 145.75,49.08 143.24,49.08 v1(143,49.32) ; 126.25,26.34 126.87,26.34 127.3,26.77 127.3,27.5 128.09,28.29 128.76,28.29 ; v4(153.77,46.88) 153.56,47.09 152.63,47.09 ; INA7.8 150.44,14.88 151.14,15.58 151.14,16.51 151.46,16.83 INA7.4 152.36,16.74 154.34,16.74 INA1_C7.2 154.54,16.62 154.54,18.82 154.68,18.96 ; 161.9,18.96 161.9,16.62 INA1_C8.2 161.66,16.81 159.7,16.81 ; 107.34,14.14 107.34,13.57 105.66,11.89 105.66,10.29 106.32,9.63 108.04,9.63 108.62,10.21 108.62,11.55 ; v4(86.84,46.83) 85.83,45.82 3V3.1 ; LED1.4 158.01,21.55 157.35,20.89 157.35,18.96 ; INA6.8 144.42,26.19 145.07,26.84 145.07,27.66 145.55,28.14 INA6.4 148.46,28.14 INA1_C6.2 149.71,28.54 149.53,28.72 ; 132.5,72.07 132.5,70.19 132.95,69.74 132.95,69.38 133.23,69.1 ; 132.5,72.07 132.5,72.81 132.81,73.12 134.27,73.12 ; 132.5,72.07 132.5,71.06 132.55,71.01 133.22,71.01 ; 127.3,26.99 126.25,26.99 ; 122.58,73.6 122.58,72.34 ; 133.88,26.27 134.53,26.27 134.89,26.63 134.89,27.5 135.61,28.22 136.39,28.22 136.38,28.22 136.38,30.04 MPR6.2 ; S3P4_R1.1 148.24,58.03 S3P2_C1.1
  Top w0.2: INA3.4 66.24,58.5 65.94,58.8 65.08,58.8 64.29,59.59 64.29,60.34 64.15,60.47 64.15,62.67 INA1_C3.2 64.39,63.21 64.39,63.9 v4(64.19,64.1) ; 73.39,57.78 73.39,58.47 72.66,59.2 71.79,59.2 71.44,59.55 INA2.8 71.33,60.41 71.33,64.1 INA1_C2.2 ; 122.58,73.6 122.58,74.32 122.57,74.33 ; U13.16 109.93,83.29 110.4,83.76 v3(110.4,83.95) ; 152.63,50.69 153.21,50.69 153.5,50.97 ; U16.1 131.99,62.72 131.33,63.38 131.33,64.47 130.68,65.12 U16.7 127.28,65.12 126.37,64.21 RV_C1.2 126.32,62.34 126.54,62.11 ; v4(136.41,32.59) 136.41,33.55 TXR1.1 ; U14.16 158.74,31.53 v3(158.43,31.22) ; LIN_C2.1 107.64,29.62 107.06,29.04 107.06,27.51 105.3,25.75 102.01,25.75 100.29,24.03 100.29,19.45 100.87,18.87 103.02,18.87 TRUNK_R1.2 103.05,17.06 103.06,17.05 ; 152.63,51.09 153.4,51.09 ; TXMUX1.16 115.66,13.19 116.15,13.68 v3(116.27,13.68) ; 68.57,59.24 69.1,59.24 69.83,58.52 69.83,57.81 ; 68.57,59.24 68.2,59.24 67.88,59.56 INA1.8 67.85,60.34 67.85,63.03 67.86,63.03 67.86,64.05 v4(67.84,64.07) ; 68.57,59.24 68.53,59.28 INA1.7 ; 117.91,70.53 118.03,70.53 118.26,70.3 arc(118.42,70.06) 118.48,69.77 118.48,69.66 arc(118.42,69.37) 118.26,69.13 118.21,69.08 arc(117.97,68.92) 117.68,68.86 115.06,68.86 arc(114.68,68.94) 114.36,69.15 114.1,69.41 arc(113.89,69.73) 113.81,70.11 113.81,71.46 arc(113.89,71.84) 114.1,72.16 114.49,72.55 arc(114.81,72.76) 115.19,72.84 117.81,72.84 ; v4(122.92,49.44) 122.92,50.01 122.94,50.03 122.94,50.29 ; 68.52,56.52 68.53,56.53 INA1.2 ; 131.37,71 131.36,71 130.21,69.85 v4(130.17,69.85) 130.17,69.37 BMPR1.2 ; 131.41,72.33 131.74,72.33 132.03,72.04 132.03,71.3 131.76,71.03 131.4,71.03 ; 117.74,72.2 117.81,72.28 117.81,72.84 ; 117.81,72.84 117.81,73.8 118.34,74.33 125.59,74.33 126.82,73.1 126.82,69.35 AH_C1.2 ; 127.14,53.99 127.97,53.99 128.09,54.12 128.09,54.49 127.14,54.49 ; 122.24,53.49 121.03,53.49 v1(120.79,53.73)
  Top w0.24: 100.44,83.67 99.33,83.67 98.31,82.65 INA1_C12.2 97.53,82.59 96.72,81.78 v3(96.72,81.72) ; TX1_C13.2 160.6,36.28 161.7,35.18 U14.11 ; TX1_C2.2 114.37,8.72 113.4,9.69 TXMUX1.11 ; 107.32,14.06 107.32,14.81 106.92,15.21 106,15.21 104.98,14.19 INA1_C10.2 102.01,13.98 102.01,14.37 ; TX1_C1.2 111.06,79.49 108.02,79.49 v3(107.93,79.58) 107.96,79.61 U13.11
  Top w0.25: 142.74,55.65 v2(142.79,55.49) 142.75,55.64 ; 104.07,55.7 v1(104.03,55.7) 104.26,55.47 104.26,54.5 ; KTS1.25 152.48,27.8 151.65,26.97 v1(150.36,26.97) ; 160.69,25.63 160.81,25.52 INA1_C11.2 159.25,24.07 v3(159.07,24.25) 157.67,25.65 155.43,25.65 v1(154.61,26.47) 153.98,27.1 KTS1.28 ; 133.99,69.12 133.02,69.12 ENS_C2.2 133.02,69.1 133.23,69.1 ; 133.99,69.12 133.97,69.14 v4(133.97,69.76) ; 133.99,69.12 135.17,69.12 ENS_C1.2 ; LIN_C2.1 108.36,30.02 107.92,30.46 107.92,32.94 108.74,33.75 U15.2 ; v4(96.81,66.93) 96.81,66.43 97.44,65.8 97.76,65.8 ; v2(115.78,49.6) 116.71,49.6 116.75,49.56 ; C3P7_R1.1 C3P14_R1.1 116.75,47.38 C3P15_R1.1 ; 150.66,26.05 150.63,26.02 ; v2(109.66,67.79) 108.68,67.79 MCP_P14_C1.1 109.28,65.97 109.28,65.59
  Top w0.3: v1(134.72,30.11) 136.31,30.11 MPR6.2 ; v4(153.77,46.88) 153.58,46.88 ; v4(153.77,46.88) 154,47.11 155.68,47.11 156.2,47.62 ; v4(153.77,46.88) 153.94,46.88 ; v4(69.97,64.37) 70.23,64.11 71.01,64.11 71.02,64.12 ; v4(96.81,66.93) 96.81,67.16 97.2,67.55 MCP_P5_C2.1 ; S3P46_C1.1 156.25,47.62 156.25,49.12 S3P52_R1.1 ; INA1_C9.2 169.39,17.49 167.92,18.96 152.62,18.96 150.63,20.95 150.63,27.62 148.44,29.81 v1(146.12,29.81) 145.04,29.81 MPR5.2 ; INA1_C5.2 138.11,27.97 137.87,28.22 136.39,28.22
  Top w0.4: U10.21 89.33,75.44 88.87,75.9 84.57,75.9 84.13,75.46 U10.13 82.2,74.69 NCV1_C10.1 ; 146.71,74.33 U11.13 144.59,73.46 144.53,73.53 ; NCV3_C13.1 103.06,16.75 102.01,16.75 v3(102.01,17.08) 102,17.07 U12.13 100.89,16.34 100.35,15.8 96.19,15.8 95.73,16.26 95.73,17.03 U12.21 ; 100.27,55.09 100.29,55.07 v1(100.29,54.98) 100.38,54.98 101.21,54.15 CHC3.1 ; v4(122.92,49.44) 123.1,49.26 123.1,48.08 C3P17_C1.1 ; 151.91,74.38 U11.21 ; 142.74,56.69 142.74,55.65
  Top w0.5: 128.09,54.12 128.09,54.84 128.18,54.92 128.18,56.35 128.64,56.82 C3_P32_C1.2 ; v2(86.85,59.79) 84.85,61.79 84.85,65.91 v2(84.76,66) 84.76,65.87 84.83,65.8 ; C3_C1.1 115.18,60.83 v2(114.96,60.61) ; C3_C1.1 114.91,62.5 113.67,63.74 113.67,67.82 ; C3_C1.1 115.23,62.46 123.23,62.46 123.72,61.97 ; C3_P32_C1.2 129.81,56.82 130.63,57.64 C3P32_C1.2 130.63,58.37 130.63,60.23 128.72,62.14 123.89,62.14 123.72,61.97 ; C3_P32_C1.2 129.33,56.83 ; v2(124.9,56.93) 124.9,57.75 123.72,58.92 123.72,61.97 ; 123.72,61.97 123.88,62.13 125.74,62.13 ; v1(120.79,53.73) 120.57,53.95 C3P11_C1.1 ; v3(102.01,17.08) 102.01,12.43 106.2,8.24 114.35,8.24 TX1_C2.2 ; v2(77.07,55.91) 77.11,55.87 77.11,34.03 91.39,19.75 v3(91.39,18.49)
  Top w0.51: v2(149.69,59.67) 153.24,59.67 154.2,58.71 S3P55_C2.2 ; v2(149.69,59.67) 149.82,59.54 149.82,58.57 ; v2(149.69,59.67) 149.62,59.6 143.17,59.6 ; 154.16,58.46 154.08,58.38 154.08,51.99 153.4,51.31 153.4,51.09 ; 143.17,59.6 147.11,59.6 ; 143.17,59.6 v2(143.27,59.7) 143.16,59.81 143.16,62.48 S3_VDD3_C1.1
  Top w1: 72.2,55.35 73.53,55.35 ; v2(73.5,55.33) 73.15,55.33 72.85,55.03 72.85,54.36 72.85,54.65 v2(72.14,55.36)
  Bottom w0.15: v2(86.85,59.79) 86.86,59.78 86.86,46.85 v4(86.84,46.83)
  Bottom w0.2: v3(113.75,9.34) 113.75,10.19 114.68,11.12 114.68,12.09 v3(116.27,13.68) ; 99.65,59.74 99.65,65.46 98.18,66.93 v4(96.81,66.93) ; v1(150.36,26.97) 150.62,26.71 154.37,26.71 v1(154.61,26.47) ; v4(136.41,32.59) 135.98,33.02 131.77,33.02 v3(129.94,34.85) 130.71,34.08
  Bottom w0.24: 110.36,83.99 110.3,83.99 109.13,82.82 109.13,80.78 v3(107.93,79.58) ; v3(158.43,31.22) 158.43,31.79 161.33,34.69 v3(161.33,35.55)
  Bottom w0.25: v3(159.07,24.25) 158.08,25.24 158.08,30.87 v3(158.43,31.22) ; 104.02,59.74 104.02,55.71 v1(104.03,55.7) 103.31,54.98 v1(100.29,54.98) ; v4(117.14,56.24) 116.48,56.24 116.31,56.41 ; v1(143,49.32) 142.76,49.56 142.76,55.46 v2(142.79,55.49)
  Bottom w0.3: v4(136.41,32.59) 136.41,31.37 135.15,30.11 v1(134.72,30.11) 135.08,29.75 146.06,29.75 v1(146.12,29.81) ; v1(120.79,53.73) 121,53.52 122.33,53.52 ; v4(69.97,64.37) 69.73,64.13 64.22,64.13 v4(64.19,64.1) 64.06,63.97 64.06,61.32 66.6,58.78 71.87,58.78 73.5,57.15 v2(73.5,55.33) ; v2(149.69,59.67) 149.87,59.49 149.87,50.4 153.39,46.88 v4(153.77,46.88) 153.94,46.88 ; v2(72.14,55.36) 71.13,56.37 68.56,56.37 ; v2(124.9,56.93) 124.9,56.45 122.36,53.91 122.36,50 v4(122.92,49.44) ; v3(151.91,74.55) v3(146.73,74.55)
  Bottom w0.4: v3(102.01,17.08) 103.2,18.27 110.98,18.27 123.95,31.24 129.58,31.24 v3(130.71,30.11) 134.71,30.11 134.73,30.09
  Bottom w0.5: v2(84.76,66) 83.33,66 80.06,69.27 80.06,72.41 82.33,74.68 v2(82.89,74.68) 82.89,77.8 86.79,81.7 101.6,81.7 104.01,79.29 107.64,79.29 v3(107.93,79.58) ; v3(91.39,18.49) 92.8,17.08 v3(102.01,17.08) ; v2(143.27,59.7) 143.12,59.85 138.03,59.85 137.31,60.57 115,60.57 v2(114.96,60.61) 114.09,59.74 86.9,59.74 v2(86.85,59.79) 86.83,59.77 79.16,59.77 77.07,57.68 v2(77.07,55.91) ; v4(126.79,69.82) 126.74,69.87 126.74,70.45 ; v4(133.97,69.76) 133.99,69.78 133.99,70.45 ; v3(146.73,74.55) 143.25,74.55 139.15,70.45 133.99,70.45 ; 133.99,70.45 130.17,70.45 ; 130.17,70.45 v4(130.17,69.85) ; 130.17,70.45 126.74,70.45 ; v2(109.66,67.79) 115.04,67.79 117.7,70.45 126.74,70.45
  Bottom w0.51: v2(114.96,60.61) 116.31,59.26 116.31,50.13 v2(115.78,49.6) ; v2(142.79,55.49) 142.79,59.23 v2(143.27,59.7)
  Bottom w1: v2(77.07,55.91) 77.11,55.87 v2(77.11,54.74) 76.82,55.03 76.82,55.36 72.13,55.36 ; v2(77.07,55.91) 76.99,55.99 ; v2(77.07,55.91) 76.97,55.81
  vias: v2(113.67,67.81) v2(128.16,54.94) v4(68.51,56.42)
